# Altium PCB top_LM_v3.PcbDoc (part 5 of 6)
Units mil, origin at the board's own origin, x right, y up, seen from the top; angles counter-clockwise.
Board outline 10500 x 5830 mil, 2 copper layers (Top Layer, Bottom Layer); 771 components, 701 nets, 1994 pads, 493 vias.
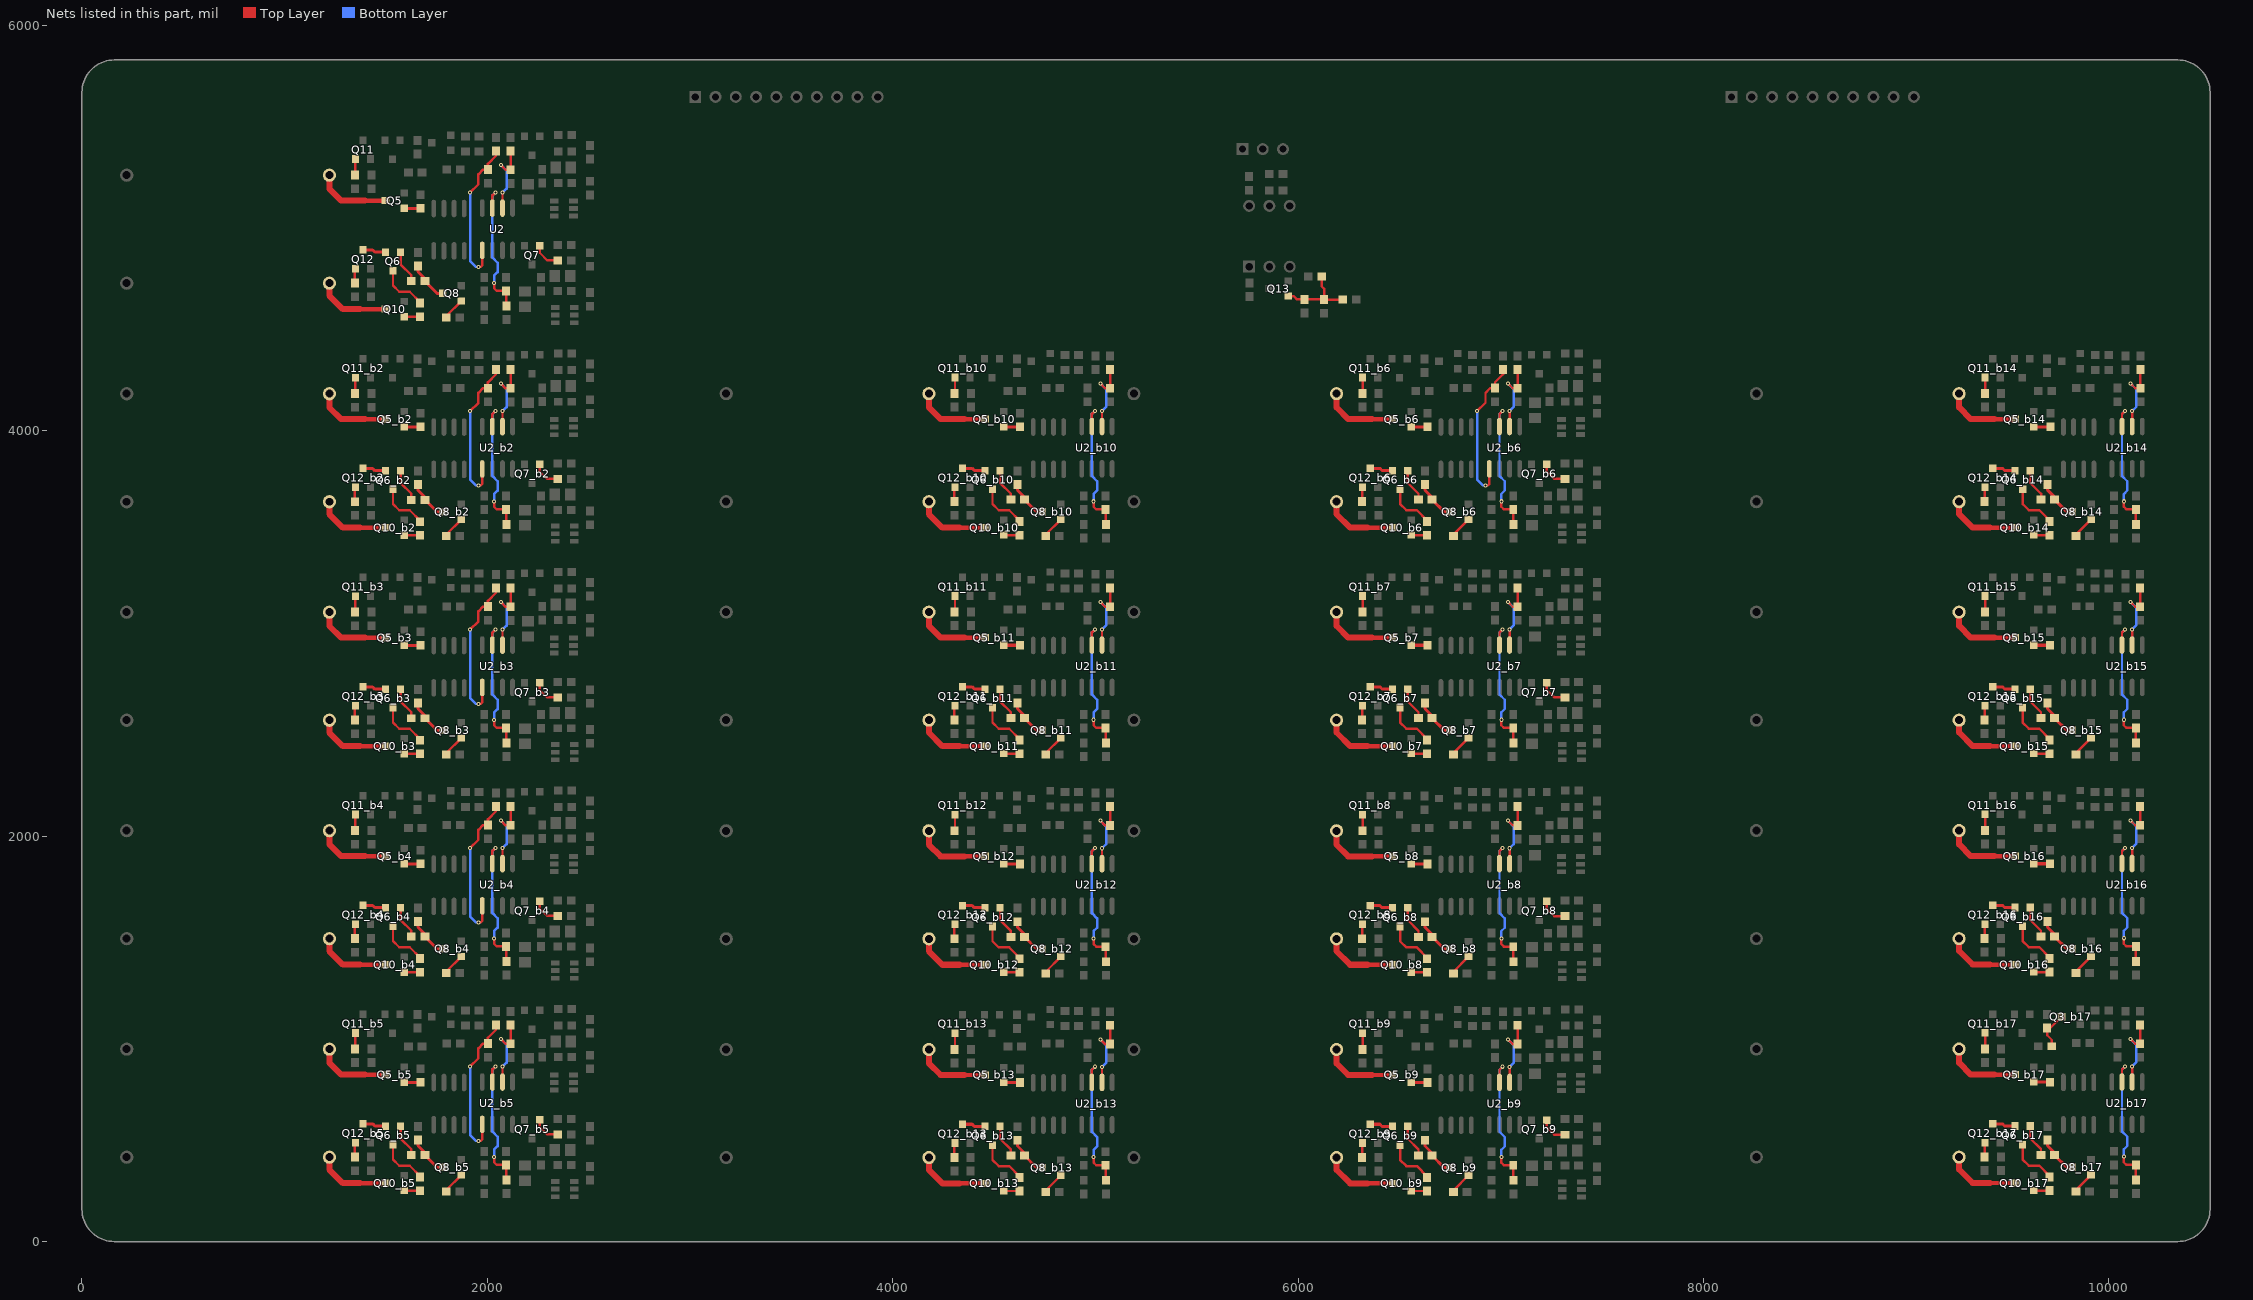
[diagram p5: the nets of this part, all layers, seen from the top]

## Via types
v1: diameter 20, hole 10, Top Layer to Bottom Layer, 402 vias
v2: diameter 40, hole 20, Top Layer to Bottom Layer, 53 vias
v3: diameter 30, hole 15, Top Layer to Bottom Layer, 34 vias
v4: diameter 125.98, hole 125.98, Top Layer to Bottom Layer, 4 vias

## Nets (pads, with @x,y where several pads share a name; then routed paths per layer and width w, separated by ;. In a path a pad name is that pad's centre, name@x,y a point inside that pad or via, vN(x,y) a via of type N, cw(c..) or ccw(c..) an arc to the next point about the centre after c; other vN are vias at no path point) (continued)
NetQ3_b17_3: Q3_b17.3 R6_b17.1 R35_b17.1 | length 193.4
  Top Layer w10: R6_b17.1@9696.44,1053.86 R6_b17.1@9696.84,1053.86 ; R35_b17.1@9719.04,963.58 9719.04,995.12 9696.84,1017.31 R6_b17.1@9696.84,1053.86 ; Q3_b17.3@9767.31,1109.58 9711.59,1053.86 R6_b17.1@9696.84,1053.86
NetQ5_1: Q5.1 R11.1 | length 80.5
  Top Layer w15: Q5.1@1590.29,5098.12 R11.1@1670.82,5098.12
NetQ5_3: Q5.3 R1.1 | length 368.5
  Top Layer w22: 1395.55,5135.86 Q5.3@1497.43,5135.86
  Top Layer w30: R1.1@1220.82,5261.58 1220.82,5193.58 1278.55,5135.86 1395.55,5135.86
NetQ5_b2_1: Q5_b2.1 R11_b2.1 | length 80.5
  Top Layer w15: Q5_b2.1@1590.29,4019.8 R11_b2.1@1670.82,4019.8
NetQ5_b2_3: Q5_b2.3 R1_b2.1 | length 368.5
  Top Layer w22: 1395.55,4057.54 Q5_b2.3@1497.43,4057.53
  Top Layer w30: R1_b2.1@1220.82,4183.26 1220.82,4115.26 1278.55,4057.54 1395.55,4057.54
NetQ5_b3_1: Q5_b3.1 R11_b3.1 | length 80.5
  Top Layer w15: Q5_b3.1@1590.29,2941.8 R11_b3.1@1670.82,2941.8
NetQ5_b3_3: Q5_b3.3 R1_b3.1 | length 368.5
  Top Layer w22: 1395.55,2979.54 Q5_b3.3@1497.43,2979.53
  Top Layer w30: R1_b3.1@1220.82,3105.26 1220.82,3037.26 1278.55,2979.54 1395.55,2979.54
NetQ5_b4_1: Q5_b4.1 R11_b4.1 | length 80.5
  Top Layer w15: Q5_b4.1@1590.29,1863.8 R11_b4.1@1670.82,1863.8
NetQ5_b4_3: Q5_b4.3 R1_b4.1 | length 368.5
  Top Layer w22: 1395.55,1901.54 Q5_b4.3@1497.43,1901.54
  Top Layer w30: R1_b4.1@1220.82,2027.26 1220.82,1959.26 1278.55,1901.54 1395.55,1901.54
NetQ5_b5_1: Q5_b5.1 R11_b5.1 | length 80.5
  Top Layer w15: Q5_b5.1@1590.29,785.8 R11_b5.1@1670.82,785.8
NetQ5_b5_3: Q5_b5.3 R1_b5.1 | length 368.5
  Top Layer w22: 1395.55,823.54 Q5_b5.3@1497.43,823.53
  Top Layer w30: R1_b5.1@1220.82,949.26 1220.82,881.26 1278.55,823.54 1395.55,823.54
NetQ5_b6_1: Q5_b6.1 R11_b6.1 | length 80.5
  Top Layer w15: Q5_b6.1@6559.54,4020.12 R11_b6.1@6640.08,4020.12
NetQ5_b6_3: Q5_b6.3 R1_b6.1 | length 368.5
  Top Layer w22: 6364.8,4057.86 Q5_b6.3@6466.68,4057.86
  Top Layer w30: R1_b6.1@6190.08,4183.58 6190.08,4115.58 6247.8,4057.86 6364.8,4057.86
NetQ5_b7_1: Q5_b7.1 R11_b7.1 | length 80.5
  Top Layer w15: Q5_b7.1@6559.54,2942.12 R11_b7.1@6640.08,2942.12
NetQ5_b7_3: Q5_b7.3 R1_b7.1 | length 368.5
  Top Layer w22: 6364.8,2979.86 Q5_b7.3@6466.68,2979.86
  Top Layer w30: R1_b7.1@6190.08,3105.58 6190.08,3037.58 6247.8,2979.86 6364.8,2979.86
NetQ5_b8_1: Q5_b8.1 R11_b8.1 | length 80.5
  Top Layer w15: Q5_b8.1@6559.54,1863.12 R11_b8.1@6640.08,1863.12
NetQ5_b8_3: Q5_b8.3 R1_b8.1 | length 368.5
  Top Layer w22: 6364.8,1900.86 Q5_b8.3@6466.68,1900.86
  Top Layer w30: R1_b8.1@6190.08,2026.58 6190.08,1958.58 6247.8,1900.86 6364.8,1900.86
NetQ5_b9_1: Q5_b9.1 R11_b9.1 | length 80.5
  Top Layer w15: Q5_b9.1@6559.54,784.12 R11_b9.1@6640.08,784.12
NetQ5_b9_3: Q5_b9.3 R1_b9.1 | length 368.5
  Top Layer w22: 6364.8,821.86 Q5_b9.3@6466.68,821.86
  Top Layer w30: R1_b9.1@6190.08,947.58 6190.08,879.58 6247.8,821.86 6364.8,821.86
NetQ5_b10_1: Q5_b10.1 R11_b10.1 | length 80.5
  Top Layer w15: Q5_b10.1@4548.29,4020.12 R11_b10.1@4628.82,4020.12
NetQ5_b10_3: Q5_b10.3 R1_b10.1 | length 368.5
  Top Layer w22: 4353.55,4057.86 Q5_b10.3@4455.43,4057.86
  Top Layer w30: R1_b10.1@4178.82,4183.58 4178.82,4115.58 4236.55,4057.86 4353.55,4057.86
NetQ5_b11_1: Q5_b11.1 R11_b11.1 | length 80.5
  Top Layer w15: Q5_b11.1@4548.29,2942.12 R11_b11.1@4628.82,2942.12
NetQ5_b11_3: Q5_b11.3 R1_b11.1 | length 368.5
  Top Layer w22: 4353.55,2979.86 Q5_b11.3@4455.43,2979.86
  Top Layer w30: R1_b11.1@4178.82,3105.58 4178.82,3037.58 4236.55,2979.86 4353.55,2979.86
NetQ5_b12_1: Q5_b12.1 R11_b12.1 | length 80.5
  Top Layer w15: Q5_b12.1@4548.29,1863.12 R11_b12.1@4628.82,1863.12
NetQ5_b12_3: Q5_b12.3 R1_b12.1 | length 368.5
  Top Layer w22: 4353.55,1900.86 Q5_b12.3@4455.43,1900.86
  Top Layer w30: R1_b12.1@4178.82,2026.58 4178.82,1958.58 4236.55,1900.86 4353.55,1900.86
NetQ5_b13_1: Q5_b13.1 R11_b13.1 | length 80.5
  Top Layer w15: Q5_b13.1@4548.29,784.12 R11_b13.1@4628.82,784.12
NetQ5_b13_3: Q5_b13.3 R1_b13.1 | length 368.5
  Top Layer w22: 4353.55,821.86 Q5_b13.3@4455.43,821.86
  Top Layer w30: R1_b13.1@4178.82,947.58 4178.82,879.58 4236.55,821.86 4353.55,821.86
NetQ5_b14_1: Q5_b14.1 R11_b14.1 | length 80.5
  Top Layer w15: Q5_b14.1@9631.29,4020.12 R11_b14.1@9711.82,4020.12
NetQ5_b14_3: Q5_b14.3 R1_b14.1 | length 368.5
  Top Layer w22: 9436.55,4057.86 Q5_b14.3@9538.43,4057.86
  Top Layer w30: R1_b14.1@9261.82,4183.58 9261.82,4115.58 9319.55,4057.86 9436.55,4057.86
NetQ5_b15_1: Q5_b15.1 R11_b15.1 | length 80.5
  Top Layer w15: Q5_b15.1@9631.04,2942.12 R11_b15.1@9711.57,2942.12
NetQ5_b15_3: Q5_b15.3 R1_b15.1 | length 368.5
  Top Layer w22: 9436.3,2979.86 Q5_b15.3@9538.18,2979.86
  Top Layer w30: R1_b15.1@9261.57,3105.58 9261.57,3037.58 9319.3,2979.86 9436.3,2979.86
NetQ5_b16_1: Q5_b16.1 R11_b16.1 | length 80.5
  Top Layer w15: Q5_b16.1@9631.04,1864.12 R11_b16.1@9711.57,1864.12
NetQ5_b16_3: Q5_b16.3 R1_b16.1 | length 368.5
  Top Layer w22: 9436.3,1901.86 Q5_b16.3@9538.18,1901.86
  Top Layer w30: R1_b16.1@9261.57,2027.58 9261.57,1959.58 9319.3,1901.86 9436.3,1901.86
NetQ5_b17_1: Q5_b17.1 R11_b17.1 | length 80.5
  Top Layer w15: Q5_b17.1@9631.04,786.12 R11_b17.1@9711.57,786.12
NetQ5_b17_3: Q5_b17.3 R1_b17.1 | length 368.5
  Top Layer w22: 9436.3,823.86 Q5_b17.3@9538.18,823.86
  Top Layer w30: R1_b17.1@9261.57,949.58 9261.57,881.58 9319.3,823.86 9436.3,823.86
NetQ6_1: Q6.1 R37.2 | length 165.8
  Top Layer w12: Q6.1@1572.09,4882.12 1572.09,4820.92 1625.23,4767.79 R37.2@1625.23,4738.32
NetQ6_2: Q6.2 Q12.3 | length 114.9
  Top Layer w15: Q12.3@1386.82,4892.84 1434.56,4892.84 1445.29,4882.12 Q6.2@1497.29,4882.12
NetQ6_3: Q6.3 R23.2 | length 244.9
  Top Layer w12: Q6.3@1534.69,4789.6 1534.69,4716.86 1565.23,4686.32 1617.08,4686.32 1668.08,4635.32 R23.2@1668.08,4630.32
NetQ6_b2_1: Q6_b2.1 R37_b2.2 | length 165.8
  Top Layer w12: Q6_b2.1@1572.09,3803.8 1572.09,3742.6 1625.23,3689.46 R37_b2.2@1625.23,3660
NetQ6_b2_2: Q6_b2.2 Q12_b2.3 | length 114.9
  Top Layer w15: Q12_b2.3@1386.82,3814.52 1434.56,3814.52 1445.29,3803.8 Q6_b2.2@1497.29,3803.8
NetQ6_b2_3: Q6_b2.3 R23_b2.2 | length 244.9
  Top Layer w12: Q6_b2.3@1534.69,3711.28 1534.69,3638.54 1565.23,3608 1617.08,3608 1668.08,3557 R23_b2.2@1668.08,3552
NetQ6_b3_1: Q6_b3.1 R37_b3.2 | length 165.8
  Top Layer w12: Q6_b3.1@1572.09,2725.8 1572.09,2664.6 1625.23,2611.46 R37_b3.2@1625.23,2582
NetQ6_b3_2: Q6_b3.2 Q12_b3.3 | length 114.9
  Top Layer w15: Q12_b3.3@1386.82,2736.52 1434.56,2736.52 1445.29,2725.8 Q6_b3.2@1497.29,2725.8
NetQ6_b3_3: Q6_b3.3 R23_b3.2 | length 244.9
  Top Layer w12: Q6_b3.3@1534.69,2633.28 1534.69,2560.54 1565.23,2530 1617.08,2530 1668.08,2479 R23_b3.2@1668.08,2474
NetQ6_b4_1: Q6_b4.1 R37_b4.2 | length 165.8
  Top Layer w12: Q6_b4.1@1572.09,1647.8 1572.09,1586.6 1625.23,1533.46 R37_b4.2@1625.23,1504
NetQ6_b4_2: Q6_b4.2 Q12_b4.3 | length 114.9
  Top Layer w15: Q12_b4.3@1386.82,1658.52 1434.56,1658.52 1445.29,1647.8 Q6_b4.2@1497.29,1647.8
NetQ6_b4_3: Q6_b4.3 R23_b4.2 | length 244.9
  Top Layer w12: Q6_b4.3@1534.69,1555.28 1534.69,1482.54 1565.23,1452 1617.08,1452 1668.08,1401 R23_b4.2@1668.08,1396
NetQ6_b5_1: Q6_b5.1 R37_b5.2 | length 165.8
  Top Layer w12: Q6_b5.1@1572.09,569.8 1572.09,508.6 1625.23,455.46 R37_b5.2@1625.23,426
NetQ6_b5_2: Q6_b5.2 Q12_b5.3 | length 114.9
  Top Layer w15: Q12_b5.3@1386.82,580.52 1434.56,580.52 1445.29,569.8 Q6_b5.2@1497.29,569.8
NetQ6_b5_3: Q6_b5.3 R23_b5.2 | length 244.9
  Top Layer w12: Q6_b5.3@1534.69,477.28 1534.69,404.54 1565.23,374 1617.08,374 1668.08,323 R23_b5.2@1668.08,318
NetQ6_b6_1: Q6_b6.1 R37_b6.2 | length 165.8
  Top Layer w12: Q6_b6.1@6541.34,3804.12 6541.34,3742.92 6594.48,3689.79 R37_b6.2@6594.48,3660.32
NetQ6_b6_2: Q6_b6.2 Q12_b6.3 | length 114.9
  Top Layer w15: Q12_b6.3@6356.08,3814.84 6403.82,3814.84 6414.54,3804.12 Q6_b6.2@6466.54,3804.12
NetQ6_b6_3: Q6_b6.3 R23_b6.2 | length 244.9
  Top Layer w12: Q6_b6.3@6503.94,3711.6 6503.94,3638.86 6534.48,3608.32 6586.33,3608.32 6637.33,3557.32 R23_b6.2@6637.33,3552.32
NetQ6_b7_1: Q6_b7.1 R37_b7.2 | length 165.8
  Top Layer w12: Q6_b7.1@6541.34,2726.12 6541.34,2664.92 6594.48,2611.79 R37_b7.2@6594.48,2582.32
NetQ6_b7_2: Q6_b7.2 Q12_b7.3 | length 114.9
  Top Layer w15: Q12_b7.3@6356.08,2736.84 6403.82,2736.84 6414.54,2726.12 Q6_b7.2@6466.54,2726.12
NetQ6_b7_3: Q6_b7.3 R23_b7.2 | length 244.9
  Top Layer w12: Q6_b7.3@6503.94,2633.6 6503.94,2560.86 6534.48,2530.32 6586.33,2530.32 6637.33,2479.32 R23_b7.2@6637.33,2474.32
NetQ6_b8_1: Q6_b8.1 R37_b8.2 | length 165.8
  Top Layer w12: Q6_b8.1@6541.34,1647.12 6541.34,1585.92 6594.48,1532.79 R37_b8.2@6594.48,1503.32
NetQ6_b8_2: Q6_b8.2 Q12_b8.3 | length 114.9
  Top Layer w15: Q12_b8.3@6356.08,1657.84 6403.82,1657.84 6414.54,1647.12 Q6_b8.2@6466.54,1647.12
NetQ6_b8_3: Q6_b8.3 R23_b8.2 | length 244.9
  Top Layer w12: Q6_b8.3@6503.94,1554.6 6503.94,1481.86 6534.48,1451.32 6586.33,1451.32 6637.33,1400.32 R23_b8.2@6637.33,1395.32
NetQ6_b9_1: Q6_b9.1 R37_b9.2 | length 165.8
  Top Layer w12: Q6_b9.1@6541.34,568.12 6541.34,506.92 6594.48,453.79 R37_b9.2@6594.48,424.32
NetQ6_b9_2: Q6_b9.2 Q12_b9.3 | length 114.9
  Top Layer w15: Q12_b9.3@6356.08,578.84 6403.82,578.84 6414.54,568.12 Q6_b9.2@6466.54,568.12
NetQ6_b9_3: Q6_b9.3 R23_b9.2 | length 244.9
  Top Layer w12: Q6_b9.3@6503.94,475.6 6503.94,402.86 6534.48,372.32 6586.33,372.32 6637.33,321.32 R23_b9.2@6637.33,316.32
NetQ6_b10_1: Q6_b10.1 R37_b10.2 | length 165.8
  Top Layer w12: Q6_b10.1@4530.09,3804.12 4530.09,3742.92 4583.23,3689.79 R37_b10.2@4583.23,3660.32
NetQ6_b10_2: Q6_b10.2 Q12_b10.3 | length 114.9
  Top Layer w15: Q12_b10.3@4344.82,3814.84 4392.56,3814.84 4403.29,3804.12 Q6_b10.2@4455.29,3804.12
NetQ6_b10_3: Q6_b10.3 R23_b10.2 | length 244.9
  Top Layer w12: Q6_b10.3@4492.69,3711.6 4492.69,3638.86 4523.23,3608.32 4575.08,3608.32 4626.08,3557.32 R23_b10.2@4626.08,3552.32
NetQ6_b11_1: Q6_b11.1 R37_b11.2 | length 165.8
  Top Layer w12: Q6_b11.1@4530.09,2726.12 4530.09,2664.92 4583.23,2611.79 R37_b11.2@4583.23,2582.32
NetQ6_b11_2: Q6_b11.2 Q12_b11.3 | length 114.9
  Top Layer w15: Q12_b11.3@4344.82,2736.84 4392.56,2736.84 4403.29,2726.12 Q6_b11.2@4455.29,2726.12
NetQ6_b11_3: Q6_b11.3 R23_b11.2 | length 244.9
  Top Layer w12: Q6_b11.3@4492.69,2633.6 4492.69,2560.86 4523.23,2530.32 4575.08,2530.32 4626.08,2479.32 R23_b11.2@4626.08,2474.32
NetQ6_b12_1: Q6_b12.1 R37_b12.2 | length 165.8
  Top Layer w12: Q6_b12.1@4530.09,1647.12 4530.09,1585.92 4583.23,1532.79 R37_b12.2@4583.23,1503.32
NetQ6_b12_2: Q6_b12.2 Q12_b12.3 | length 114.9
  Top Layer w15: Q12_b12.3@4344.82,1657.84 4392.56,1657.84 4403.29,1647.12 Q6_b12.2@4455.29,1647.12
NetQ6_b12_3: Q6_b12.3 R23_b12.2 | length 244.9
  Top Layer w12: Q6_b12.3@4492.69,1554.6 4492.69,1481.86 4523.23,1451.32 4575.08,1451.32 4626.08,1400.32 R23_b12.2@4626.08,1395.32
NetQ6_b13_1: Q6_b13.1 R37_b13.2 | length 165.8
  Top Layer w12: Q6_b13.1@4530.09,568.12 4530.09,506.92 4583.23,453.79 R37_b13.2@4583.23,424.32
NetQ6_b13_2: Q6_b13.2 Q12_b13.3 | length 114.9
  Top Layer w15: Q12_b13.3@4344.82,578.84 4392.56,578.84 4403.29,568.12 Q6_b13.2@4455.29,568.12
NetQ6_b13_3: Q6_b13.3 R23_b13.2 | length 244.9
  Top Layer w12: Q6_b13.3@4492.69,475.6 4492.69,402.86 4523.23,372.32 4575.08,372.32 4626.08,321.32 R23_b13.2@4626.08,316.32
NetQ6_b14_1: Q6_b14.1 R37_b14.2 | length 165.8
  Top Layer w12: Q6_b14.1@9613.09,3804.12 9613.09,3742.92 9666.23,3689.79 R37_b14.2@9666.23,3660.32
NetQ6_b14_2: Q6_b14.2 Q12_b14.3 | length 114.9
  Top Layer w15: Q12_b14.3@9427.82,3814.84 9475.56,3814.84 9486.29,3804.12 Q6_b14.2@9538.29,3804.12
NetQ6_b14_3: Q6_b14.3 R23_b14.2 | length 244.9
  Top Layer w12: Q6_b14.3@9575.69,3711.6 9575.69,3638.86 9606.23,3608.32 9658.08,3608.32 9709.08,3557.32 R23_b14.2@9709.08,3552.32
NetQ6_b15_1: Q6_b15.1 R37_b15.2 | length 165.8
  Top Layer w12: Q6_b15.1@9612.84,2726.12 9612.84,2664.92 9665.97,2611.79 R37_b15.2@9665.97,2582.32
NetQ6_b15_2: Q6_b15.2 Q12_b15.3 | length 114.9
  Top Layer w15: Q12_b15.3@9427.57,2736.84 9475.31,2736.84 9486.04,2726.12 Q6_b15.2@9538.04,2726.12
NetQ6_b15_3: Q6_b15.3 R23_b15.2 | length 244.9
  Top Layer w12: Q6_b15.3@9575.44,2633.6 9575.44,2560.86 9605.97,2530.32 9657.82,2530.32 9708.82,2479.32 R23_b15.2@9708.82,2474.32
NetQ6_b16_1: Q6_b16.1 R37_b16.2 | length 165.8
  Top Layer w12: Q6_b16.1@9612.84,1648.12 9612.84,1586.92 9665.97,1533.79 R37_b16.2@9665.97,1504.32
NetQ6_b16_2: Q6_b16.2 Q12_b16.3 | length 114.9
  Top Layer w15: Q12_b16.3@9427.57,1658.84 9475.31,1658.84 9486.04,1648.12 Q6_b16.2@9538.04,1648.12
NetQ6_b16_3: Q6_b16.3 R23_b16.2 | length 244.9
  Top Layer w12: Q6_b16.3@9575.44,1555.6 9575.44,1482.86 9605.97,1452.32 9657.82,1452.32 9708.82,1401.32 R23_b16.2@9708.82,1396.32
NetQ6_b17_1: Q6_b17.1 R37_b17.2 | length 165.8
  Top Layer w12: Q6_b17.1@9612.84,570.12 9612.84,508.92 9665.97,455.79 R37_b17.2@9665.97,426.32
NetQ6_b17_2: Q6_b17.2 Q12_b17.3 | length 114.9
  Top Layer w15: Q12_b17.3@9427.57,580.84 9475.31,580.84 9486.04,570.12 Q6_b17.2@9538.04,570.12
NetQ6_b17_3: Q6_b17.3 R23_b17.2 | length 244.9
  Top Layer w12: Q6_b17.3@9575.44,477.6 9575.44,404.86 9605.97,374.32 9657.82,374.32 9708.82,323.32 R23_b17.2@9708.82,318.32
NetQ7_1: Q7.1 R33.2 | length 139.4
  Top Layer w12: Q7.1@2258.4,4913.26 2258.4,4878.6 2296,4841 R33.2@2347.54,4841
NetQ7_b2_1: Q7_b2.1 R33_b2.2 | length 139.4
  Top Layer w12: Q7_b2.1@2258.4,3834.94 2258.4,3800.28 2296,3762.68 R33_b2.2@2347.54,3762.68
NetQ7_b3_1: Q7_b3.1 R33_b3.2 | length 139.4
  Top Layer w12: Q7_b3.1@2258.4,2756.94 2258.4,2722.28 2296,2684.68 R33_b3.2@2347.54,2684.68
NetQ7_b4_1: Q7_b4.1 R33_b4.2 | length 139.4
  Top Layer w12: Q7_b4.1@2258.4,1678.94 2258.4,1644.28 2296,1606.68 R33_b4.2@2347.54,1606.68
NetQ7_b5_1: Q7_b5.1 R33_b5.2 | length 139.4
  Top Layer w12: Q7_b5.1@2258.4,600.94 2258.4,566.28 2296,528.68 R33_b5.2@2347.54,528.68
NetQ7_b6_1: Q7_b6.1 R33_b6.2 | length 139.4
  Top Layer w12: Q7_b6.1@7227.65,3835.26 7227.65,3800.6 7265.25,3763 R33_b6.2@7316.79,3763
NetQ7_b7_1: Q7_b7.1 R33_b7.2 | length 139.4
  Top Layer w12: Q7_b7.1@7227.65,2757.26 7227.65,2722.6 7265.25,2685 R33_b7.2@7316.79,2685
NetQ7_b8_1: Q7_b8.1 R33_b8.2 | length 139.4
  Top Layer w12: Q7_b8.1@7227.65,1678.26 7227.65,1643.6 7265.25,1606 R33_b8.2@7316.79,1606
NetQ7_b9_1: Q7_b9.1 R33_b9.2 | length 139.4
  Top Layer w12: Q7_b9.1@7227.65,599.26 7227.65,564.6 7265.25,527 R33_b9.2@7316.79,527
NetQ7_b10_1: 
NetQ7_b11_1: 
NetQ7_b12_1: 
NetQ7_b13_1: 
NetQ7_b14_1: 
NetQ7_b15_1: 
NetQ7_b16_1: 
NetQ7_b17_1: 
NetQ8_1: Q8.1 R22.2 | length 113.6
  Top Layer w12: R22.2@1797.36,4558.58 1797.36,4566.45 Q8.1@1872.08,4641.18
NetQ8_3: Q8.3 R19.1 R37.1 | length 202.3
  Top Layer w15: R19.1@1658.23,4812.86 R19.1@1657.69,4813.39 1657.69,4785.32 1692.15,4750.86 R37.1@1692.15,4738.32 1751.89,4678.58 Q8.3@1779.56,4678.58
NetQ8_b2_1: Q8_b2.1 R22_b2.2 | length 113.6
  Top Layer w12: R22_b2.2@1797.36,3480.26 1797.36,3488.13 Q8_b2.1@1872.08,3562.86
NetQ8_b2_3: Q8_b2.3 R19_b2.1 R37_b2.1 | length 202.3
  Top Layer w15: R19_b2.1@1658.23,3734.54 R19_b2.1@1657.69,3735.07 1657.69,3707 1692.15,3672.54 R37_b2.1@1692.15,3660 1751.89,3600.26 Q8_b2.3@1779.56,3600.26
NetQ8_b3_1: Q8_b3.1 R22_b3.2 | length 113.6
  Top Layer w12: R22_b3.2@1797.36,2402.26 1797.36,2410.13 Q8_b3.1@1872.08,2484.86
NetQ8_b3_3: Q8_b3.3 R19_b3.1 R37_b3.1 | length 202.3
  Top Layer w15: R19_b3.1@1658.23,2656.54 R19_b3.1@1657.69,2657.07 1657.69,2629 1692.15,2594.54 R37_b3.1@1692.15,2582 1751.89,2522.26 Q8_b3.3@1779.56,2522.26
NetQ8_b4_1: Q8_b4.1 R22_b4.2 | length 113.6
  Top Layer w12: R22_b4.2@1797.36,1324.26 1797.36,1332.13 Q8_b4.1@1872.08,1406.86
NetQ8_b4_3: Q8_b4.3 R19_b4.1 R37_b4.1 | length 202.3
  Top Layer w15: R19_b4.1@1658.23,1578.54 R19_b4.1@1657.69,1579.07 1657.69,1551 1692.15,1516.54 R37_b4.1@1692.15,1504 1751.89,1444.26 Q8_b4.3@1779.56,1444.26
NetQ8_b5_1: Q8_b5.1 R22_b5.2 | length 113.6
  Top Layer w12: R22_b5.2@1797.36,246.26 1797.36,254.13 Q8_b5.1@1872.08,328.86
NetQ8_b5_3: Q8_b5.3 R19_b5.1 R37_b5.1 | length 202.3
  Top Layer w15: R19_b5.1@1658.23,500.54 R19_b5.1@1657.69,501.07 1657.69,473 1692.15,438.54 R37_b5.1@1692.15,426 1751.89,366.26 Q8_b5.3@1779.56,366.26
NetQ8_b6_1: Q8_b6.1 R22_b6.2 | length 113.6
  Top Layer w12: R22_b6.2@6766.61,3480.58 6766.61,3488.45 Q8_b6.1@6841.34,3563.18
NetQ8_b6_3: Q8_b6.3 R19_b6.1 R37_b6.1 | length 202.3
  Top Layer w15: R19_b6.1@6627.48,3734.86 R19_b6.1@6626.94,3735.39 6626.94,3707.32 6661.41,3672.86 R37_b6.1@6661.41,3660.32 6721.15,3600.58 Q8_b6.3@6748.82,3600.58
NetQ8_b7_1: Q8_b7.1 R22_b7.2 | length 113.6
  Top Layer w12: R22_b7.2@6766.61,2402.58 6766.61,2410.45 Q8_b7.1@6841.34,2485.18
NetQ8_b7_3: Q8_b7.3 R19_b7.1 R37_b7.1 | length 202.3
  Top Layer w15: R19_b7.1@6627.48,2656.86 R19_b7.1@6626.94,2657.39 6626.94,2629.32 6661.41,2594.86 R37_b7.1@6661.41,2582.32 6721.15,2522.58 Q8_b7.3@6748.82,2522.58
NetQ8_b8_1: Q8_b8.1 R22_b8.2 | length 113.6
  Top Layer w12: R22_b8.2@6766.61,1323.58 6766.61,1331.45 Q8_b8.1@6841.34,1406.18
NetQ8_b8_3: Q8_b8.3 R19_b8.1 R37_b8.1 | length 202.3
  Top Layer w15: R19_b8.1@6627.48,1577.86 R19_b8.1@6626.94,1578.39 6626.94,1550.32 6661.41,1515.86 R37_b8.1@6661.41,1503.32 6721.15,1443.58 Q8_b8.3@6748.82,1443.58
NetQ8_b9_1: Q8_b9.1 R22_b9.2 | length 113.6
  Top Layer w12: R22_b9.2@6766.61,244.58 6766.61,252.45 Q8_b9.1@6841.34,327.18
NetQ8_b9_3: Q8_b9.3 R19_b9.1 R37_b9.1 | length 202.3
  Top Layer w15: R19_b9.1@6627.48,498.86 R19_b9.1@6626.94,499.39 6626.94,471.32 6661.41,436.86 R37_b9.1@6661.41,424.32 6721.15,364.58 Q8_b9.3@6748.82,364.58
NetQ8_b10_1: Q8_b10.1 R22_b10.2 | length 113.6
  Top Layer w12: R22_b10.2@4755.36,3480.58 4755.36,3488.45 Q8_b10.1@4830.08,3563.18
NetQ8_b10_3: Q8_b10.3 R19_b10.1 R37_b10.1 | length 202.3
  Top Layer w15: R19_b10.1@4616.23,3734.86 R19_b10.1@4615.69,3735.39 4615.69,3707.32 4650.15,3672.86 R37_b10.1@4650.15,3660.32 4709.89,3600.58 Q8_b10.3@4737.56,3600.58
NetQ8_b11_1: Q8_b11.1 R22_b11.2 | length 113.6
  Top Layer w12: R22_b11.2@4755.36,2402.58 4755.36,2410.45 Q8_b11.1@4830.08,2485.18
NetQ8_b11_3: Q8_b11.3 R19_b11.1 R37_b11.1 | length 202.3
  Top Layer w15: R19_b11.1@4616.23,2656.86 R19_b11.1@4615.69,2657.39 4615.69,2629.32 4650.15,2594.86 R37_b11.1@4650.15,2582.32 4709.89,2522.58 Q8_b11.3@4737.56,2522.58
NetQ8_b12_1: Q8_b12.1 R22_b12.2 | length 113.6
  Top Layer w12: R22_b12.2@4755.36,1323.58 4755.36,1331.45 Q8_b12.1@4830.08,1406.18
NetQ8_b12_3: Q8_b12.3 R19_b12.1 R37_b12.1 | length 202.3
  Top Layer w15: R19_b12.1@4616.23,1577.86 R19_b12.1@4615.69,1578.39 4615.69,1550.32 4650.15,1515.86 R37_b12.1@4650.15,1503.32 4709.89,1443.58 Q8_b12.3@4737.56,1443.58
NetQ8_b13_1: Q8_b13.1 R22_b13.2 | length 113.6
  Top Layer w12: R22_b13.2@4755.36,244.58 4755.36,252.45 Q8_b13.1@4830.08,327.18
NetQ8_b13_3: Q8_b13.3 R19_b13.1 R37_b13.1 | length 202.3
  Top Layer w15: R19_b13.1@4616.23,498.86 R19_b13.1@4615.69,499.39 4615.69,471.32 4650.15,436.86 R37_b13.1@4650.15,424.32 4709.89,364.58 Q8_b13.3@4737.56,364.58
NetQ8_b14_1: Q8_b14.1 R22_b14.2 | length 113.6